# Altium PCB spin5v1_simple.PcbDoc (part 14 of 25) (continued)
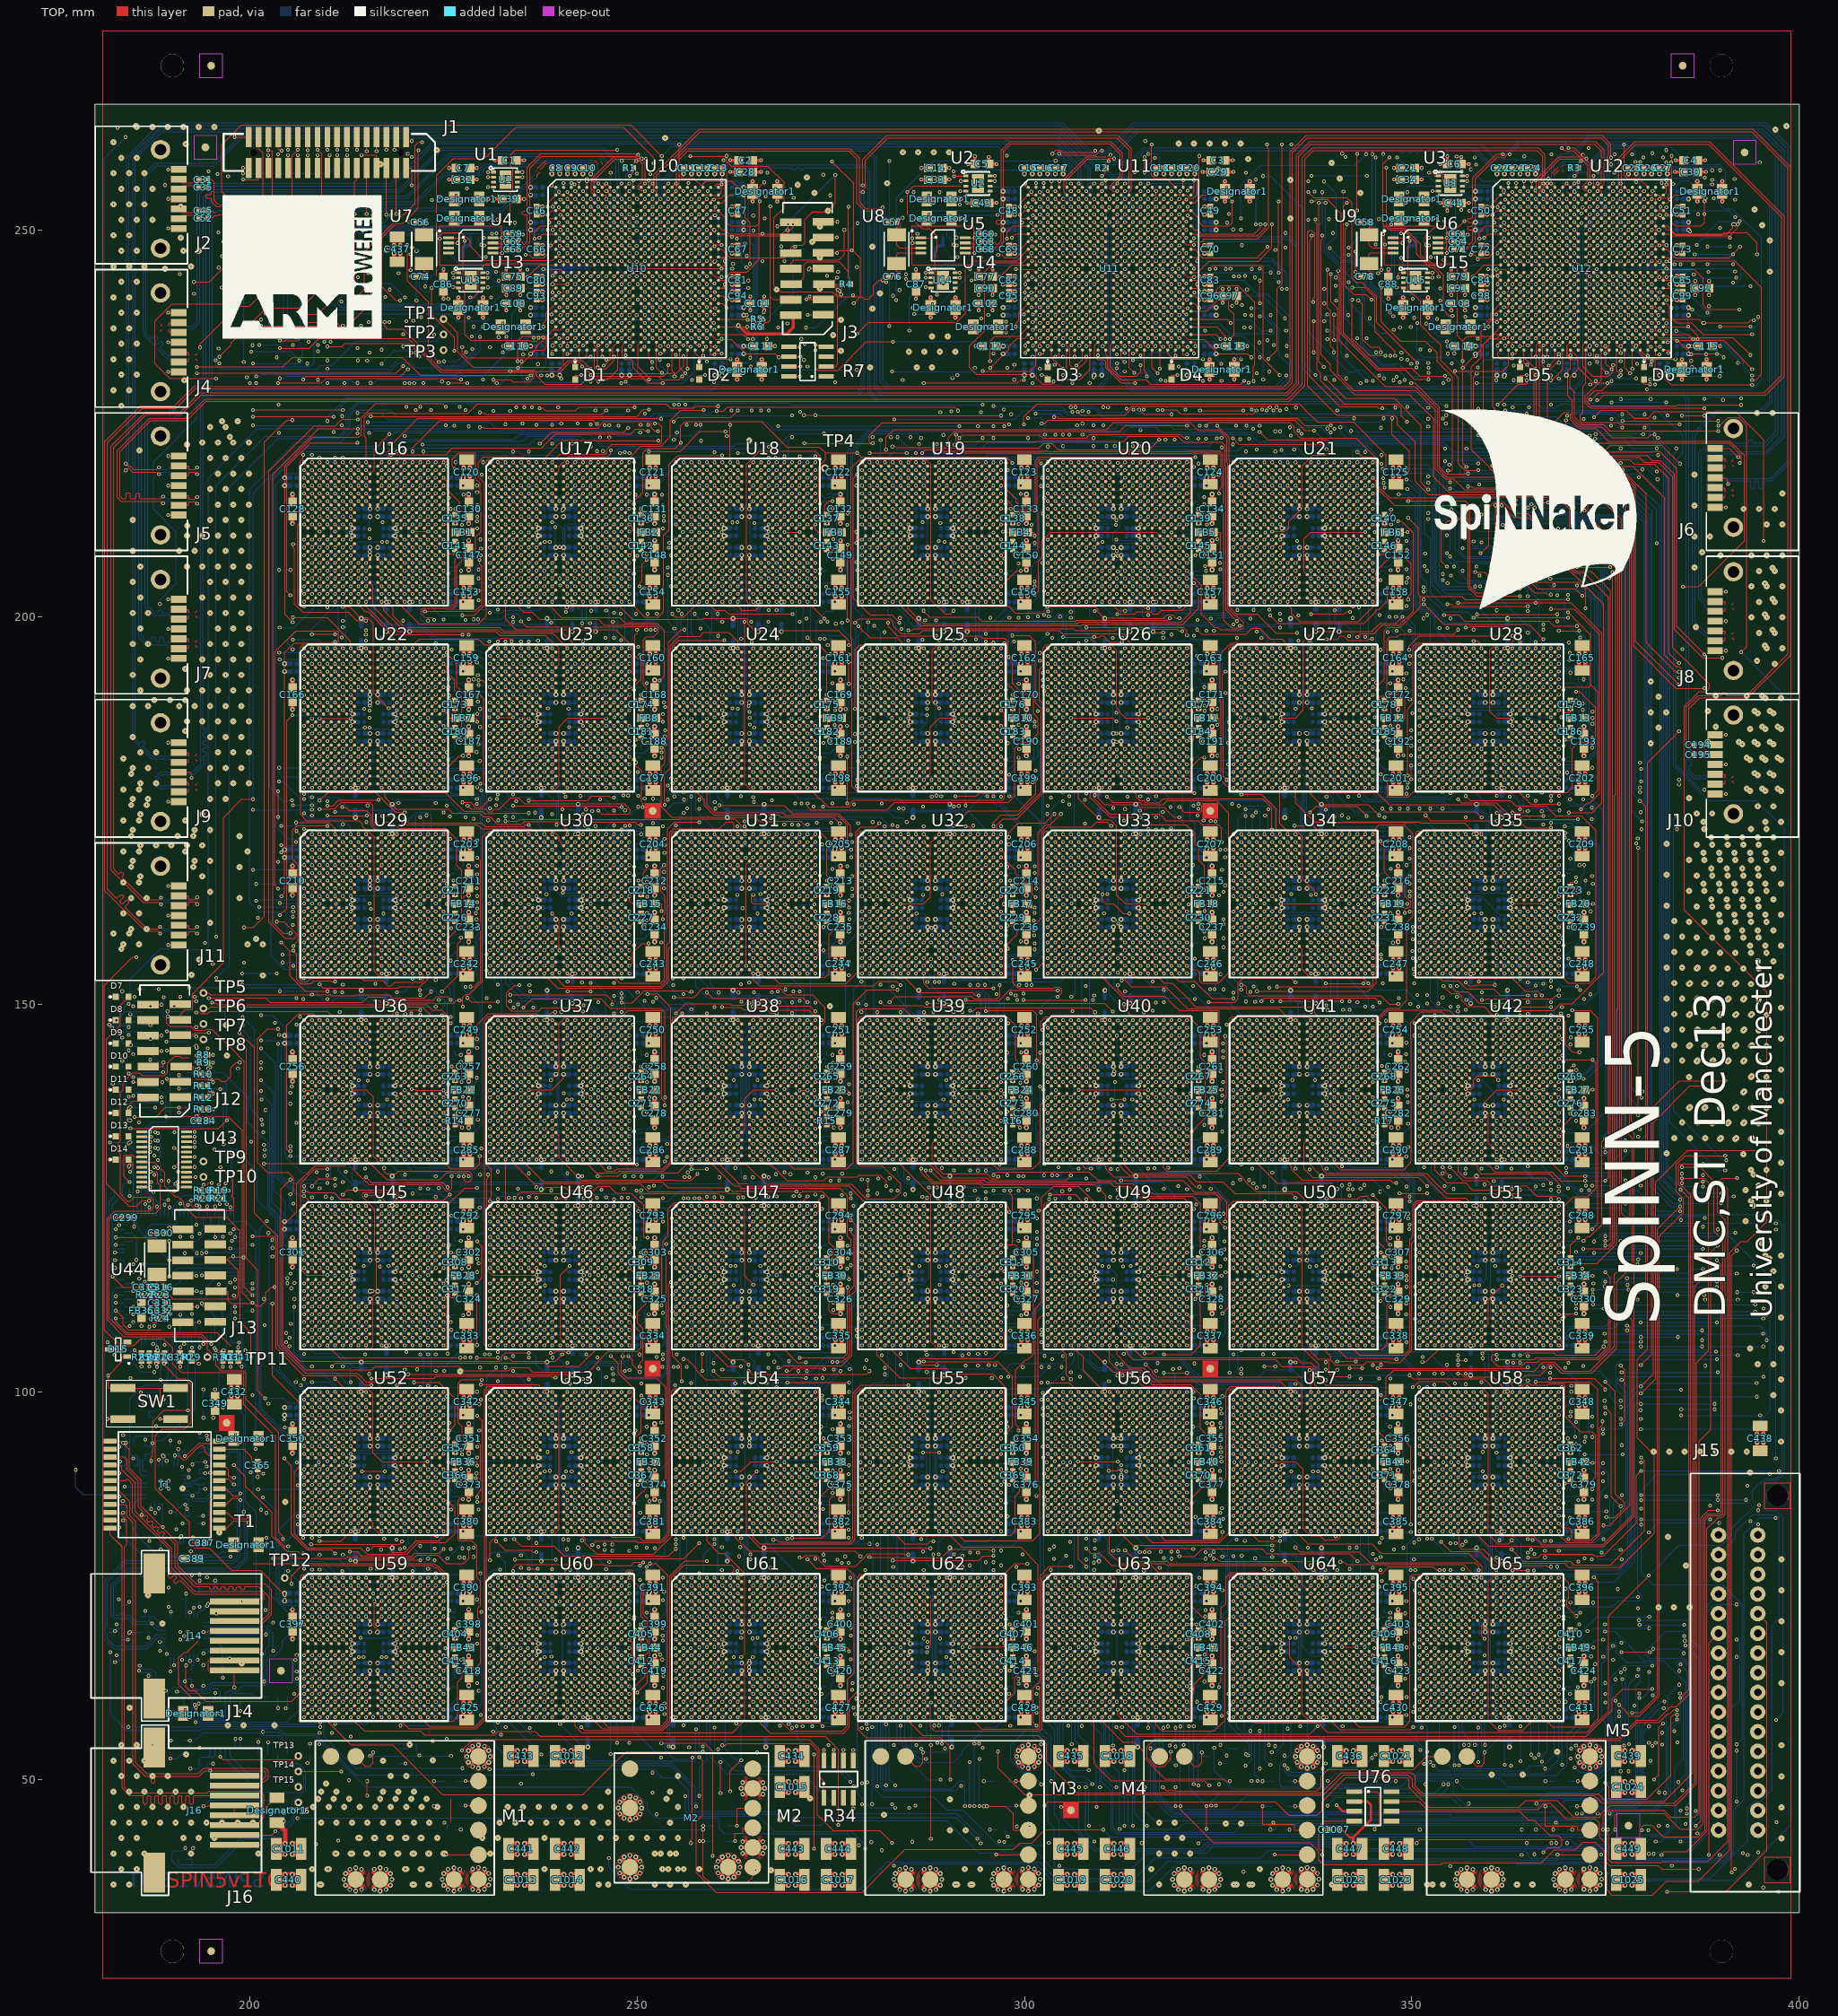
[diagram p0: TOP view]
## Nets (pads, with @x,y where several pads share a name; then routed paths per layer and width w, separated by ;. In a path a pad name is that pad's centre, name@x,y a point inside that pad or via, vN(x,y) a via of type N, cw(c..) or ccw(c..) an arc to the next point about the centre after c; other vN are vias at no path point) (continued)
  other v1: 283,60 376,238
S35_L5<8>: U12.W14 U62.R7
  other v1: 325.133,49.35 345.358,49.761 345.358,53.196 380.642,54.717 285,61 377.007,63.8 373.685,64.865 374.78,81.003 375,237
S35_L5<9>: U12.W15 U62.V6
  other v1: 382.364,54.487 294.143,54.589 284,58 379.78,138.788 376,237
S35_L5<10>: U12.Y14 U62.U6
  other v1: 299.015,43.9 284,59 393.76,83.297 375,236 387.001,252.026
S35_L5<11>: U12.Y15 U62.T6
  other v1: 380.842,52.365 294.6,54.061 376.777,58.724 284,60 376,236
S35_L5<12>: U12.AA14 U62.R6 | length 37.6
  TOP w0.127: v1(373.549,225.809) 374.473,226.733 377.709,226.733 378.734,225.708 380.502,225.708 381.326,226.532 391.817,226.532 395.437,222.912 v1(395.437,209.85)
  other v1: 395.41,36.03 328.283,38.044 397.118,44.446 271.371,56.842 284,61 375,235
S35_L5<13>: U12.AB14 U62.V7 | length 212.4
  TOP w0.127: v1(285,58) 285,57.551 286.905,55.646 301.714,55.646 302.857,54.503 302.857,52.189 306.801,48.245 338.324,48.245 340.954,50.875 349.963,50.875 350.474,50.364 350.474,49.132 351.481,48.125 374.078,48.125 375.048,47.155 382.604,47.155 386.287,50.838 386.287,126.302 387.113,127.128 v1(387.601,127.128) ; U12.AB14@374.5,234.5 374.5,230.587 373.42,229.507 373.368,229.507 372.415,228.554 372.415,227.622 373.05,226.987 v1(387.804,226.987)
S35_L5<14>: U12.AB15 U62.U7 | length 209
  TOP w0.127: v1(287.93,42.29) 287.93,53.979 287.931,53.98 v1(287.931,54.411) ; v1(374.724,43.498) 374.724,45.366 375.359,46.001 382.575,46.001 383.437,45.139 386.546,45.139 387.118,45.711 387.118,93.663 388.616,95.161 388.616,118.019 v1(389.493,118.896) ; v1(375,118.896) 375.431,118.896 375.939,119.404 v1(375.939,205.82)
  BOTTOM w0.127: v1(287.931,54.411) v1(287.931,59.931) ; v1(375,118.896) v1(389.493,118.896)
  other v1: 285,59
S35_L5<15>: U12.AB16 U62.T7
  other v1: 285,60
S36_L0<0>: U61.R11 U62.D11
  other v1: 266,61 290,73
S36_L0<1>: U61.V10 U62.A10
  other v1: 265,58 264.432,64.465 273.862,74.865 289,76
S36_L0<2>: U61.U10 U62.B10 | length 23.6
  BOTTOM w0.127: v1(265,59) 265.569,58.431 268.232,58.431 268.431,58.232 v1(268.431,56.907) ; v1(288.969,56.924) 288.969,57.364 288.77,57.563 288.753,57.563 288.435,57.881 288.435,74.435 289,75
S36_L0<3>: U61.T10 U62.C10 | length 6.9
  TOP w0.127: v1(287.46,67.035) 287.918,67.493 287.918,72.918 U62.C10@288.5,73.5
  other v1: 269.993,56.642 265,60 289,74
S36_L0<4>: U61.R10 U62.D10
  other v1: 265,61 277.265,64.465 287.587,64.465 289,73
S36_L0<5>: U61.V11 U62.A11 | length 44.7
  TOP w0.127: v1(266,58) 266,57.164 267.207,55.957 276.633,55.957 277.395,56.719 277.395,60.244 278.569,61.418 278.569,76.232 278.768,76.431 289.569,76.431 290,76
S36_L0<6>: U61.U11 U62.B11 | length 24.3
  BOTTOM w0.127: v1(266,59) 266.566,59.566 273.209,59.566 275.051,61.408 275.051,62.239 276.746,63.934 276.746,73.173 277.593,74.02 v1(277.593,74.6)
  other v1: 290,75
S36_L0<7>: U61.T11 U62.C11 | length 30.3
  BOTTOM w0.127: v1(269.563,57.135) 269.994,57.135 270.132,57.273 275.666,57.273 277.254,58.861 277.254,62.954 278.024,63.724 278.024,76.113 277.706,76.431 274.927,76.431 v1(274.168,75.672)
  other v1: 266,60 290,74
S36_L0<8>: U61.R9 U62.D9
  other v1: 263,61 287,73
S36_L0<9>: U61.V8 U62.A8
  other v1: 262,58 287.487,69 277.593,69.558 286,76
S36_L0<10>: U61.U8 U62.B8
  other v1: 279,56.597 262,59 286,75 277.316,75.207
S36_L0<11>: U61.T8 U62.C8
  other v1: 262,60 286,74
S36_L0<12>: U61.R8 U62.D8
  other v1: 262,61 277.593,68.558 286,73
S36_L0<13>: U61.V9 U62.A9
  other v1: 263,58 287.478,67.742 287,76
S36_L0<14>: U61.U9 U62.B9
  other v1: 263,59 277.593,65.465 287,75
S36_L0<15>: U61.T9 U62.C9
  other v1: 288.362,56.924 263,60 273.831,61 287,74
S36_L1<0>: U55.D7 U61.V16
  other v1: 271,58 275.247,63.527 277.303,89.384 285,97
S36_L1<1>: U55.A6 U61.V14
  other v1: 269,58 284,67.001 284,100
S36_L1<2>: U55.B6 U61.U14 | length 50.3
  BOTTOM w0.127: v1(273.632,69.57) 273.431,69.771 273.431,76.232 273.232,76.431 270.805,76.431 266.741,80.495 266.741,80.834 266.569,81.006 266.569,85.232 266.768,85.431 281.05,85.431 281.431,85.812 281.431,98.05 281.812,98.431 283.431,98.431 v1(284,99)
  other v1: 269,59 262.466,65.742
S36_L1<3>: U55.C6 U61.T14
  other v1: 269,60 283.069,77.4 284,98
S36_L1<4>: U55.D6 U61.R14
  other v1: 269,61 265.534,68.242 277.342,95.6 284,97
S36_L1<5>: U55.A7 U61.V15 | length 59.8
  TOP w0.127: v1(270,58) 270.727,57.273 273.494,57.273 v1(273.925,56.842)
  BOTTOM w0.127: v1(273.925,56.842) 275.603,56.842 277.508,58.747 277.508,60.386 278.207,61.085 278.255,61.085 278.601,61.431 280.05,61.431 280.431,61.812 280.431,83.05 280.812,83.431 282.05,83.431 282.431,83.812 282.431,85.05 282.812,85.431 287.05,85.431 287.431,85.812 287.431,97.232 287.232,97.431 286.939,97.431 286.431,97.939 286.431,99.232 286.232,99.431 285.569,99.431 285,100
S36_L1<6>: U55.B7 U61.U15
  other v1: 270,59 277.939,59.222 276.448,77.905 285,99
S36_L1<7>: U55.C7 U61.T15 | length 7.4
  BOTTOM w0.127: v1(285,90.994) 284.568,91.426 284.568,97.568 v1(285,98)
  other v1: 270,60 278.268,60.4 278.871,90.931
S36_L1<8>: U55.D5 U61.R13
  other v1: 268,61 275.841,78.335 277.437,96.6 283,97
S36_L1<9>: U55.A3 U61.V12
  other v1: 267,58 277.743,61.516 281,100
S36_L1<10>: U55.A4 U61.U12
  other v1: 267,59 277.295,77.905 282,100
S36_L1<11>: U55.B4 U61.T12
  other v1: 267,60 267.2,77.305 277.303,92.117 282,99
S36_L1<12>: U55.C4 U61.R12
  other v1: 267,61 270,67.067 279.43,77 282,98
S36_L1<13>: U55.A5 U61.V13 | length 36.8
  TOP w0.127: v1(268,58) 269.789,56.211 276.506,56.211 277.141,56.846 277.141,62.898 278.024,63.781 278.024,76.263 277.071,77.216 273.184,77.216 v1(272,78.4)
  other v1: 283,100
S36_L1<14>: U55.B5 U61.U13
  other v1: 268,59 276.865,78.762 283,99
S36_L1<15>: U55.C5 U61.T13
  other v1: 268,60 283,98
S36_L2<0>: U54.R5 U61.R16 | length 32.8
  BOTTOM w0.127: v1(260,80.347) 258.569,78.916 258.569,60.822 258.823,60.568 270.568,60.568 v1(271,61)
  other v1: 259,85
S36_L2<1>: U54.V3 U61.N15
  other v1: 270,63 257,82
S36_L2<2>: U54.V4 U61.N16
  other v1: 271,63 258,82
S36_L2<3>: U54.U4 U61.N17
  other v1: 272,63 267,67.067 258,83
S36_L2<4>: U54.T4 U61.N18
  other v1: 273,63 258,84
S36_L2<5>: U54.V5 U61.P16 | length 29.1
  TOP w0.127: v1(259,82) 259,80.709 260.524,79.185 261.287,79.185 263.891,76.581 263.891,66.201 v1(263.432,65.742)
  BOTTOM w0.127: v1(263.432,65.742) 263.432,63.955 264.956,62.431 270.569,62.431 271,62
S36_L2<6>: U54.U5 U61.P17
  other v1: 272,62 259,83
S36_L2<7>: U54.T5 U61.P18
  other v1: 273,62 259,84
S36_L2<8>: U54.R7 U61.V18 | length 23.2
  BOTTOM w0.127: v1(256,66.931) 255.569,67.362 255.569,84.232 255.768,84.431 260.431,84.431 v1(261,85)
  other v1: 273,58
S36_L2<9>: U54.V6 U61.R17 | length 32.2
  BOTTOM w0.127: v1(260,82) 260.431,81.569 260.431,61.939 260.939,61.431 271.569,61.431 v1(272,61)
S36_L2<10>: U54.U6 U61.R18 | length 16
  BOTTOM w0.127: v1(260.931,67.069) 261.431,67.569 261.431,70.169 261.828,70.566 270.05,70.566 270.431,70.185 270.431,67.638 v1(271,67.069)
  other v1: 273,61 260,83
S36_L2<11>: U54.T6 U61.T16
  other v1: 253.526,58.4 271,60 260,84
S36_L2<12>: U54.R6 U61.T17
  other v1: 272,60 260,85
S36_L2<13>: U54.V7 U61.T18 | length 32.5
  BOTTOM w0.127: 261,82 261.454,81.546 263.662,81.546 263.861,81.347 263.861,76.511 264.941,75.431 272.232,75.431 272.431,75.232 272.431,60.569 v1(273,60)
S36_L2<14>: U54.U7 U61.U17
  other v1: 272,59 261,83
S36_L2<15>: U54.T7 U61.U18
  other v1: 272.6,56.841 273,59 256.901,66.931 261,84
S36_L4<0>: U12.M17 U61.D7 | length 35.1
  BOTTOM w0.127: v1(253.265,69.524) 253.746,69.043 253.746,64.396 v1(253.315,63.965) ; v1(370.6,53.958) 370.6,55.392 371.426,56.218 371.449,56.218 373.608,58.377 v1(373.608,62.988) ; v1(375,106.472) v1(379.594,106.472) ; 378,244 377.569,244.431 376.768,244.431 376.569,244.232 376.569,235.271 378.347,233.493 378.359,233.493 v1(379.116,232.736)
  other v1: 261,73
S36_L4<1>: U12.M18 U61.A6
  other v1: 260,76 365,79.242 350.324,80.557 350.324,88.534 379,244
S36_L4<2>: U12.M19 U61.B6 | length 35.6
  BOTTOM w0.127: v1(253.098,52.774) 249.492,56.38 249.492,59.413 250.318,60.239 250.329,60.239 251.599,61.509 251.599,69.389 253.748,71.538 253.748,73.477 253.464,73.761 v1(253.464,74.192) ; v1(312.921,44) v1(312.921,51.15) ; v1(389.532,86.06) v1(393.18,86.06)
  other v1: 260,75 380,244
S36_L4<3>: U12.N19 U61.C6 | length 37.9
  BOTTOM w0.127: v1(259,67.066) 259.431,67.497 259.431,73.431 v1(260,74) ; v1(333.999,51.363) 334.43,50.932 338.923,50.932 339.539,51.548 343.679,51.548 v1(344.896,52.765) ; v1(371.207,54.358) 372.305,55.456 372.338,55.456 374.116,57.234 374.116,65.204 v1(374.742,65.83) ; v1(379.431,69.93) v1(385.188,69.93)
  other v1: 380,243
S36_L4<4>: U12.N20 U61.D6 | length 26.7
  BOTTOM w0.127: v1(307.903,48.95) 307.903,43.104 v1(309.042,41.965) ; v1(326.393,57.772) 326.393,57.091 328.679,54.805 328.738,54.805 329.056,54.487 329.056,53.464 328.816,53.224 v1(328.627,53.224) ; v1(381,243) 381.496,243.496 385.125,243.496 385.871,242.75 v1(393.76,242.75)
  other v1: 260,73
S36_L4<5>: U12.N22 U61.A7 | length 27.7
  TOP w0.127: v1(278.569,59.43) 278.569,56.408 279.585,55.392 289.168,55.392 290.438,54.122 v1(290.438,49.95) ; v1(381.297,49.963) 381.933,50.599 381.933,56.675 v1(382.468,57.21)
  other v1: 261,76 383.566,243.998
S36_L4<6>: U12.P20 U61.B7
  other v1: 261,75 277.517,76 263.43,76.431 275.2,175.965 267.4,176.365 267,186.965 264.724,199.413 266.917,199.413 381,242 264.135,246.642 328.596,257.394 352.267,257.394
S36_L4<7>: U12.P21 U61.C7
  other v1: 386.687,45.893 258.462,54.231 253.526,59.808 261,74 382.034,242
S36_L4<8>: U12.P22 U61.D5
  other v1: 259,73 365.8,76.95 350.472,77 383.312,243
S36_L4<9>: U12.R20 U61.A3 | length 188.7
  TOP w0.127: v1(258.031,52.845) 258.464,52.412 258.464,45.36 257.638,44.534 257.638,37.949 260.178,35.409 279.048,35.409 282.477,38.838 282.477,38.848 284.573,40.944 298.594,40.944 299.435,41.785 300.93,41.785 302.642,43.497 v1(310.182,43.497)
  BOTTOM w0.127: v1(257,76) 257.431,75.569 257.431,57.438 258.031,56.838 v1(258.031,52.845) ; v1(310.182,43.497) 311.11,42.569 373.164,42.569 373.404,42.329 379.487,42.329 380.043,42.885 382.591,42.885 383.988,44.282 383.988,51.535 385.115,52.662 385.115,60.845 384.875,61.085 v1(384.632,61.085)
  other v1: 381,241
  other v3: 258.019,38.401 318.4,42.401 320.4,42.401
S36_L4<10>: U12.R22 U61.A4 | length 148.9
  TOP w0.127: v1(258.4,102.697) v1(258.4,104.896) ; v1(302.233,225.026) 302.664,225.026 303.062,225.424 334.912,225.424 335.801,224.535 335.801,224.495 336.198,224.098 v1(337.4,224.098) ; v1(372.126,222.017) 372.595,222.486 391.01,222.486 392.598,220.898 392.598,220.173 v1(392.364,219.939)
  BOTTOM w0.127: v1(250.933,150.465) 252.105,149.293 255.369,149.293 v1(255.8,148.862) ; v1(256.4,224.847) 256.831,225.278 266.584,225.278 267.609,224.253 301.46,224.253 v1(302.233,225.026) ; v1(337.4,224.098) 338.864,222.634 354.13,222.634 355.403,221.361 371.47,221.361 v1(372.126,222.017)
  other v1: 258,76 383.566,240.968
S36_L4<11>: U12.T20 U61.B4 | length 56.6
  BOTTOM w0.127: v1(254.083,54.231) 254.083,54.662 254.211,54.79 254.211,66.207 v1(254.935,66.931) ; v1(256.221,47.789) 256.221,45.924 256.891,45.254 265.628,45.254 267.633,43.249 277.671,43.249 279.449,41.471 v1(279.449,41.023) ; v1(381,240) 381.569,239.431 383.133,239.431 383.705,238.859 383.705,238.771 384.213,238.263 384.283,238.263 385.437,237.109 393.966,237.109 394.76,237.903 v1(394.76,238.77)
  other v1: 258,75
S36_L4<12>: U12.T21 U61.C4 | length 104.7
  TOP w0.127: v1(260.767,48.209) v1(260.767,52.191) ; v1(379.74,43.42) 379.74,43.851 379.978,44.089 381.015,44.089 382.515,42.589 387.086,42.589 387.88,43.383 387.88,83.521 388.388,84.029 389.899,84.029 390.217,84.347 390.217,119.611 389.063,120.765 389.063,127.186 387.221,129.028 v1(384.89,129.028)
  other v1: 258.033,67 258,74 382.068,239.907
S36_L4<13>: U12.T22 U61.A5 | length 49.5
  TOP w0.127: v1(272.842,41.023) v1(272.842,53.175) ; U12.T22@382.5,240.5 382.935,240.5 383.332,240.103 383.332,238.835 384.158,238.009 386.15,238.009 387.619,236.54 v1(393.96,236.54)
  BOTTOM w0.127: v1(262.927,76.861) 262.927,76.43 262.767,76.43 262.568,76.231 262.568,71.812 262.949,71.431 271.232,71.431 271.431,71.232 271.431,67.45 v1(271.95,66.931) ; v1(270.6,56.841) 270.6,55.403 271.807,54.196 271.821,54.196 v1(272.842,53.175)
  other v1: 259,76
S36_L4<14>: U12.U20 U61.B5 | length 105.4
  BOTTOM w0.127: v1(274.168,78.2) 275.429,76.939 277.579,76.939 278.278,76.24 278.278,62.852 v1(277.826,62.4) ; v1(279.6,57.117) 280.031,57.117 280.052,57.138 280.568,57.138 280.767,56.939 280.767,52.816 280.59,52.639 280.59,48.882 281.733,47.739 288.296,47.739 289.973,46.062 292.05,46.062 295.035,43.077 295.035,43.039 296.623,41.451 302.378,41.451 302.727,41.8 v1(303.158,41.8) ; v1(384.175,236.971) 384.606,236.971 384.96,236.617 385.439,236.617 385.982,236.074 389.729,236.074 392.841,232.962 392.841,232.349 v1(393.961,231.229) ; v1(384.704,41.946) 386.8,41.946 388.134,43.28 388.134,71.608 389.087,72.561 v1(391.98,72.561) ; v1(392.03,112.865) v1(394.16,112.865)
  other v1: 259,75 381,239
S36_L4<15>: U12.U22 U61.C5 | length 112.4
  TOP w0.127: v1(253.126,54.662) 258.672,54.662 259.752,53.582 v1(259.752,40.104) ; v1(384.263,235.678) 384.694,235.678 384.757,235.741 390.301,235.741 392.841,233.201 392.841,233.155 v1(393.96,232.036) ; v1(391.319,37.972) 391.319,117.585 v1(391.984,118.25)
  other v1: 259,74
S36_L5<0>: U12.P18 U61.R5 | length 31.1
  BOTTOM w0.127: v1(260,56.653) 260,53.64 262.477,51.163 276.018,51.163 v1(277.539,49.642) ; v1(379.631,83.521) v1(388.532,83.521)
  other v1: 259,61 379,242
S36_L5<1>: U12.P19 U61.V3
  other v1: 257,58 379.404,61.085 380,242
S36_L5<2>: U12.R19 U61.V4
  other v1: 258,58 380,241
S36_L5<3>: U12.T18 U61.U4 | length 226
  BOTTOM w0.127: v1(258,59) 258.431,59.431 259.232,59.431 259.431,59.232 259.431,52.878 261.654,50.655 271.444,50.655 276.545,45.554 291.302,45.554 294.35,42.506 v1(294.35,41.747) ; v1(384.175,221.801) 384.175,221.37 383.834,221.029 383.834,180.834 388.343,176.325 394.502,176.325 398.122,172.705 398.122,89.487 397.233,88.598 395.75,88.598 395.496,88.344 395.496,84.921 395.75,84.667 397.11,84.667 397.936,83.841 397.936,58.531 v1(397.058,57.653)
  other v1: 379,240
S36_L5<4>: U12.T19 U61.T4
  other v1: 274.7,54.402 258,60 380,240
S36_L5<5>: U12.U19 U61.V5 | length 49.9
  BOTTOM w0.127: v1(258.033,47.842) 258.033,51.566 259,52.533 v1(259,58) ; v1(379.631,82.866) 379.631,76.625 381.155,75.101 390.125,75.101 392.665,72.561 392.665,55.182 v1(391.98,54.497)
  other v1: 380,239
S36_L5<6>: U12.V19 U61.U5
  other v1: 259,59 380,238
S36_L5<7>: U12.V21 U61.T5
  other v1: 259,60 381.901,238
S36_L5<8>: U12.V22 U61.R7 | length 73
  TOP w0.127: v1(311.873,56.715) 313.031,55.557 372.549,55.557 375.915,58.923 375.915,60.305 377.249,61.639 v1(381.092,61.639)
  other v1: 261,61 387.619,238 383.555,239.931
S36_L5<9>: U12.W18 U61.V6 | length 128.9
  BOTTOM w0.127: v1(260,58) 260.431,58.431 261.232,58.431 261.431,58.232 261.431,53.83 263.59,51.671 276.128,51.671 277.97,49.829 v1(277.97,49.089) ; 379,237 379.569,236.431 380.232,236.431 380.431,236.232 380.431,233.629 v1(381,233.06) ; v1(381.807,223.171) 383.342,221.636 383.342,134.757 389.502,128.597 v1(390.493,128.597)
S36_L5<10>: U12.W20 U61.U6
  other v1: 371.343,45.57 279.032,46.777 279.032,49.472 260.431,53.858 383.919,56.21 260,59 384.519,179.025 381,237
S36_L5<11>: U12.W22 U61.T6
  other v1: 384.95,48.565 265.486,53.458 260,60
S36_L5<12>: U12.Y18 U61.R6
  other v1: 260,61 379,236
S36_L5<13>: U12.Y21 U61.V7 | length 45.5
  TOP w0.127: v1(261,54.387) 261.431,54.387 261.635,54.591 272.384,54.591 273.273,53.702 273.273,45.429 275.305,43.397 281.303,43.397 v1(282.907,41.793) ; U12.Y21@381.5,236.5 381.891,236.109 391.494,236.109 v1(393.76,233.843)
  other v1: 392.78,40.435 261,58
S36_L5<14>: U12.Y22 U61.U7
  other v1: 261,59
S36_L5<15>: U12.AB19 U61.T7 | length 31.2
  TOP w0.127: v1(262.005,48.425) 262.005,51.019 v1(263.431,52.445) ; U12.AB19@379.5,234.5 380.509,233.491 381.232,233.491 381.431,233.292 381.431,232.016 382.701,230.746 382.743,230.746 383.474,230.015 v1(393.96,230.015)
  BOTTOM w0.127: v1(261,60) 261.569,59.431 263.232,59.431 263.431,59.232 v1(263.431,52.445)
S37_L0<0>: U60.R11 U61.D11
  other v1: 242,61 243.901,66.931 266,73
S37_L0<1>: U60.V10 U61.A10 | length 39.4
  BOTTOM w0.127: v1(256,56.972) 256.431,57.403 256.431,82.05 256.812,82.431 263.226,82.431 264.115,81.542 264.115,76.885 v1(265,76)
  other v1: 241,58
S37_L0<2>: U60.U10 U61.B10
  other v1: 241,59 253.526,59.201 250.675,59.742 265,75
S37_L0<3>: U60.T10 U61.C10
  other v1: 241,60 265,74
S37_L0<4>: U60.R10 U61.D10
  other v1: 241,61 253.241,65.442 260,67.068 264.913,68.172 265,73
S37_L0<5>: U60.V11 U61.A11 | length 32
  TOP w0.127: v1(242,58) 242,56.848 242.826,56.022 262.303,56.022 263.891,57.61 263.891,64.689 v1(264.513,65.311)
  other v1: 266,76
S37_L0<6>: U60.U11 U61.B11
  other v1: 262.8,57.172 242,59 264.943,65.742 266,75
S37_L0<7>: U60.T11 U61.C11
  other v1: 242,60 253.317,73.135 266,74
S37_L0<8>: U60.R9 U61.D9 | length 9.5
  BOTTOM w0.127: v1(239,61) 240.4,62.4 v1(240.4,69.899)
  other v1: 241,63 241,71 263,73
S37_L0<9>: U60.V8 U61.A8 | length 41.3
  TOP w0.127: v1(242.8,56.707) 243.231,56.276 253.322,56.276 254.465,57.419 254.465,76.079 256.053,77.667 262.127,77.667 262.496,77.298 262.496,76.888 262,76.392 v1(262,76)
  other v1: 238,58 255,58
S37_L0<10>: U60.U8 U61.B8 | length 30.6
  BOTTOM w0.127: v1(238,59) 237.569,59.431 236.95,59.431 236.569,59.812 236.569,72.187 236.887,72.505 249.114,72.505 249.432,72.823 249.432,74.169 249.829,74.566 249.857,74.566 250.365,75.074 v1(250.365,75.708)
  other v1: 262,75
S37_L0<11>: U60.T8 U61.C8
  other v1: 238,60 262,74
S37_L0<12>: U60.R8 U61.D8 | length 4.4
  BOTTOM w0.127: v1(260.931,77.007) 261.431,76.507 261.431,73.569 v1(262,73)
  other v1: 238,61
S37_L0<13>: U60.V9 U61.A9 | length 15
  TOP w0.127: v1(250.007,61.2) 250.777,61.97 250.807,61.97 251.315,62.478 251.315,65.615 251.62,65.92 251.62,68.249 251.315,68.554 251.315,70.724 251.215,70.824 251.193,70.824 250.796,71.221 v1(250.796,75.122)
  other v1: 239,58 263,76
S37_L0<14>: U60.U9 U61.B9
  other v1: 239,59 238.93,65.828 263,75 243.571,77.158
S37_L0<15>: U60.T9 U61.C9
  other v1: 239,60 263,74
S37_L1<0>: U54.D7 U60.V16
  other v1: 247,58 261,97
S37_L1<1>: U54.A6 U60.V14 | length 31.4
  TOP w0.127: v1(245,58) 246.216,56.784 253.068,56.784 253.957,57.673 253.957,76.314 252.433,77.838 v1(251.655,77.838)
  other v1: 260,100
S37_L1<2>: U54.B6 U60.U14
  other v1: 245,59 256,81.154 260,99
S37_L1<3>: U54.C6 U60.T14
  other v1: 245,60 253.317,61.8 259,90.931 260,98
S37_L1<4>: U54.D6 U60.R14
  other v1: 245,61 260,97
S37_L1<5>: U54.A7 U60.V15 | length 9.5
  BOTTOM w0.127: v1(259.965,90.931) 260.431,91.397 260.431,99.431 v1(261,100)
  other v1: 246,58
S37_L1<6>: U54.B7 U60.U15
  other v1: 246,59 261,99
S37_L1<7>: U54.C7 U60.T15
  other v1: 246,60 261,98 253.243,98.4
S37_L1<8>: U54.D5 U60.R13
  other v1: 244,61 253.29,68.524 259,97
S37_L1<9>: U54.A3 U60.V12
  other v1: 243,58 257,100
S37_L1<10>: U54.A4 U60.U12 | length 18.1
  BOTTOM w0.127: v1(242.901,66.965) 243.332,66.965 243.332,66.981 243.713,67.362 249.575,67.362 249.703,67.234 251.027,67.234 251.345,67.552 251.345,70.815 251.658,71.128 251.658,72.328 252.896,73.566 252.896,75.148 253.317,75.569 v1(253.317,76)
  other v1: 243,59 258,100
S37_L1<11>: U54.B4 U60.T12 | length 16.7
  BOTTOM w0.127: v1(251.333,88.431) 257.05,88.431 257.431,88.812 257.431,98.431 v1(258,99)
  other v1: 243,60 249.607,62.958
S37_L1<12>: U54.C4 U60.R12
  other v1: 243,61 249.67,68.4 258,98
S37_L1<13>: U54.A5 U60.V13 | length 35.5
  TOP w0.127: v1(244,58) 244.497,57.503 244.497,57.483 245.45,56.53 253.195,56.53 254.211,57.546 254.211,76.189 256.18,78.158 v1(259,78.158)
  other v1: 259,100
S37_L1<14>: U54.B5 U60.U13
  other v1: 244,59 259,99
S37_L1<15>: U54.C5 U60.T13
  other v1: 244,60 259,98
S37_L2<0>: U53.R5 U60.R16
  other v1: 247,61 235,85
S37_L2<1>: U53.V3 U60.N15
  other v1: 246,63 233,82
S37_L2<2>: U53.V4 U60.N16
  other v1: 247,63 233.033,67.069 234,82
S37_L2<3>: U53.U4 U60.N17
  other v1: 248,63 234,83
S37_L2<4>: U53.T4 U60.N18 | length 5.3
  TOP w0.127: v1(234.2,78.358) v1(239.47,78.358)
  other v1: 249,63 244.901,66.931 234,84
S37_L2<5>: U53.V5 U60.P16
  other v1: 247,62 235,78.892 246.8,79.492 235,82
S37_L2<6>: U53.U5 U60.P17 | length 17
  BOTTOM w0.127: v1(235,83) 235.431,83 235.431,82.96 235.822,82.569 236.04,82.569 236.431,82.178 236.431,77.268 237.13,76.569 239.465,76.569 v1(240.034,76) ; v1(246,66.931) 246.5,66.431 247.188,66.431 247.569,66.05 247.569,62.822 247.822,62.569 247.873,62.569 248,62.442 v1(248,62)
S37_L2<7>: U53.T5 U60.P18 | length 17.6
  TOP w0.127: v1(234,76.869) 234,77.303 234.397,77.7 245.786,77.7 245.862,77.624 249.248,77.624 249.614,77.99 v1(250.795,77.99)
  other v1: 249,62 235,84
S37_L2<8>: U53.R7 U60.V18
  other v1: 249,54.707 249,58 233,80.939 237,85
S37_L2<9>: U53.V6 U60.R17
  other v1: 248,61 236,82
S37_L2<10>: U53.U6 U60.R18 | length 15.3
  BOTTOM w0.127: v1(236,83) 236.391,83 236.822,82.569 238.051,82.569 238.496,82.124 238.496,81.445 239.039,80.902 v1(239.039,77.093) ; v1(247.049,66.931) 247.732,66.931 248.431,66.232 248.431,61.569 v1(249,61)
S37_L2<11>: U53.T6 U60.T16 | length 15.2
  BOTTOM w0.127: v1(238.067,65.742) 237.619,65.742 237.492,65.615 237.492,60.876 237.937,60.431 246.569,60.431 v1(247,60)
  other v1: 236,84
S37_L2<12>: U53.R6 U60.T17
  other v1: 240.52,57.569 248,60 234,66.931 236,85
S37_L2<13>: U53.V7 U60.T18 | length 28.1
  TOP w0.127: v1(240.721,77.093) 240.721,76.597 248.348,76.597 248.789,77.038 249.232,77.038 249.431,76.839 249.431,75.625 250.486,74.57 250.486,71.015 250.931,70.57 250.934,70.57 251.061,70.443 251.061,68.148 251.366,67.843 251.366,66.327 251.061,66.022 251.061,63.293 249.431,61.663 249.431,60.431 v1(249,60)
  other v1: 237,82
S37_L2<14>: U53.U7 U60.U17 | length 4.5
  BOTTOM w0.127: v1(247.431,54.707) 247.431,58.431 v1(248,59)
  other v1: 231,66.931 237,83
S37_L2<15>: U53.T7 U60.U18 | length 17.8
  BOTTOM w0.127: v1(237,84) 237.569,83.431 239.202,83.431 239.901,82.732 239.901,79.692 240.727,78.866 244.517,78.866 245.824,77.559 v1(250.365,77.559)
  other v1: 249,59 249.431,63.569
S37_L4<0>: U12.F18 U60.D7
  other v1: 352.389,52.194 326.098,53.05 229.354,62.4 237,73 379,251
S37_L4<1>: U12.F19 U60.A6 | length 19.9
  BOTTOM w0.127: v1(236,76) 235.569,76.431 234.768,76.431 234.569,76.232 234.569,74.812 234.95,74.431 239.206,74.431 240,73.637 v1(240,72.936) ; v1(384.788,96.962) v1(394.995,96.962)
  other v1: 380,251
S37_L4<2>: U12.F20 U60.B6 | length 94.9
  BOTTOM w0.127: v1(231.569,76.431) 231.569,56.951 231.831,56.689 231.831,54.272 234.308,51.795 254.302,51.795 257.08,49.017 257.08,46.377 257.579,45.878 269.586,45.878 270.418,45.046 291.163,45.046 v1(293.919,42.29) ; v1(387.931,115.267) v1(391.996,115.267)
  other v1: 236,75 381,251
S37_L4<3>: U12.G19 U60.C6
  other v1: 236,74 236,104.435 236.43,148.431 254.392,204 380,250 285.698,254.865 289.042,254.865
S37_L4<4>: U12.G20 U60.D6 | length 77.9
  BOTTOM w0.127: v1(236,73) 235.431,72.431 235.431,67.807 234.986,67.362 233.768,67.362 233.569,67.163 233.569,57.266 235.665,55.17 235.677,55.17 v1(237.642,53.205) ; v1(366.106,46.847) 367.593,48.334 372.613,48.334 375.915,51.636 375.915,62.035 376.342,62.462 v1(376.342,62.893) ; v1(379.594,95.189) 393.855,95.189 396.268,97.602 396.268,110.368 395.871,110.765 v1(395.437,110.765)
  other v1: 381,250
S37_L4<5>: U12.G22 U60.A7 | length 130.8
  TOP w0.127: v1(256.938,41.757) 256.938,42.188 257.139,42.389 v1(257.139,52.774) ; v1(382.256,40.235) 382.687,40.666 385.53,40.666 388.134,43.27 388.134,82.34 388.769,82.975 388.817,82.975 389.617,83.775 390.026,83.775 390.471,84.22 390.471,122.188 389.501,123.158 389.501,126.963 390.136,127.598 v1(392.011,127.598)
  BOTTOM w0.127: v1(241.328,77.028) 241.759,76.597 247.226,76.597 247.667,77.038 250.476,77.038 250.794,77.356 250.794,77.407 v1(251.225,77.407) ; v1(253.364,63.358) 253.957,62.765 253.957,55.069 253.652,54.764 253.652,53.74 254.795,52.597 256.531,52.597 256.708,52.774 v1(257.139,52.774)
  other v1: 237,76 391.496,250.729 392.103,250.729
S37_L4<6>: U12.H16 U60.B7 | length 22.5
  BOTTOM w0.127: v1(259.863,103.728) 259.863,104.26 261.006,105.403 261.043,105.403 261.44,105.8 261.44,113.186 262.012,113.758 v1(262.467,113.758) ; v1(376.19,259.76) 376.19,259.329 376.572,258.947 376.572,255.703 376.569,255.7 376.569,249.431 v1(377,249)
  other v1: 237,75
S37_L4<7>: U12.H17 U60.C7 | length 142.1
  BOTTOM w0.127: v1(234.931,66.931) 235.471,66.391 235.471,58.876 235.916,58.431 246.188,58.431 246.569,58.05 v1(246.569,53.269) ; v1(307.064,48.95) 307.064,43.273 309.287,41.05 322.858,41.05 323.71,41.902 340.029,41.902 340.881,41.05 375.896,41.05 377.156,39.79 389.985,39.79 391.065,40.87 391.065,64.873 v1(391.98,65.788)
  other v1: 237,74 378,249
S37_L4<8>: U12.H18 U60.D5
  other v1: 233.031,56.735 235,73 386.2,232.3 379,249 385.945,249.8
S37_L4<9>: U12.H19 U60.A3 | length 28.3
  BOTTOM w0.127: v1(232.086,78.892) 233,77.978 v1(233,76) ; v1(254.569,112.569) 255.232,112.569 255.431,112.768 255.431,114.362 v1(256,114.931) ; v1(314.255,257.43) 314.686,257.43 315.108,257.852 315.411,257.852 v1(316.865,259.306) ; v1(380,249) 379.504,249.496 379.504,257.486 379.949,257.931 388.569,257.931 v1(388.8,257.7)
S37_L4<10>: U12.H20 U60.A4
  other v1: 385.528,45.57 282.906,46.754 234,76 382.901,240.931 381,249
S37_L4<11>: U12.H21 U60.B4 | length 154.4
  TOP w0.127: v1(318.912,53.558) 318.912,52.558 318.023,51.669 316.926,51.669 315.846,52.749 315.846,54.186 316.862,55.202 319.213,55.202 319.258,55.247 376.693,55.247 379.087,57.641 381.71,57.641 382.98,58.911 382.98,58.917 383.425,59.362 384.191,59.362 386.033,61.204 386.033,125.441 384.953,126.521 384.703,126.521 384.449,126.775 384.449,129.205 384.703,129.459 v1(387.601,129.459) ; v1(384.9,226.025) v1(387.8,226.025)
  other v1: 234,75 382.901,248.065
S37_L4<12>: U12.H22 U60.C4 | length 20.2
  TOP w0.127: v1(275.154,258.827) 277.967,256.014 277.967,247.202 278.828,246.341 278.828,241.389 v1(277.967,240.528)
  other v1: 234,74 253.33,104.831 255.1,104.831
S37_L4<13>: U12.J19 U60.A5 | length 310.9
  TOP w0.127: v1(389.6,224.732) 389.791,224.732 390.031,224.972 390.031,224.985 390.857,225.811 392.165,225.811 393.245,224.731 393.245,196.198 v1(392.56,195.513)
  BOTTOM w0.127: v1(283.162,38.835) 283.593,38.835 283.856,39.098 301.394,39.098 304.923,35.569 316.142,35.569 319.77,39.197 363.345,39.197 363.515,39.027 369.14,39.027 369.211,39.098 374.15,39.098 376.298,36.95 391.72,36.95 398.924,44.154 398.924,189.149 v1(392.56,195.513)
  other v1: 235,76 389.8,232.338 380,248
S37_L4<14>: U12.J20 U60.B5 | length 112.8
  BOTTOM w0.127: v1(235,75) 235.431,75.431 249.058,75.431 250.312,76.685 251.13,76.685 253.607,79.162 253.607,85.841 251.638,87.81 251.299,87.81 250.902,88.207 250.902,88.671 251.347,89.116 252.173,89.116 254.269,91.212 254.269,107.923 254.777,108.431 257.05,108.431 257.431,108.812 257.431,114.363 v1(258.067,114.999) ; v1(283.448,240.958) 283.448,254.105 288.274,258.931 v1(304.022,258.931) ; v1(381,248) 381.505,248.505 381.505,255.905 382.331,256.731 387.397,256.731 387.411,256.745 v1(387.842,256.745)
  other v1: 382.891,256.434
S37_L4<15>: U12.J22 U60.C5 | length 5
  BOTTOM w0.127: v1(386.545,246.865) v1(391.5,246.865)
  other v1: 235,74 250.309,104.815 257.4,125.002 392.402,247.815 274.033,257.128
S37_L5<0>: U12.J16 U60.R5 | length 57.8
  BOTTOM w0.127: v1(235,61) 234.568,60.568 234.568,57.52 236.41,55.678 240.231,55.678 242.454,53.455 242.454,53.446 243.851,52.049 254.427,52.049 257.602,48.874 v1(257.602,46.464) ; v1(377,248) 376.568,247.568 376.568,245.765 377.394,244.939 382.21,244.939 382.653,244.496 385.341,244.496 386.006,243.831 v1(391.9,243.831) ; v1(391.98,47.13) v1(391.98,53.69)
S37_L5<1>: U12.J17 U60.V3 | length 42.1
  BOTTOM w0.127: v1(240.041,57.138) 243.231,53.948 243.231,53.137 244.025,52.343 257.346,52.343 257.6,52.597 v1(257.6,56.453) ; v1(382.901,248) 383.586,247.315 383.586,246.911 384.221,246.276 391.442,246.276 392.585,245.133 392.585,243.816 391.95,243.181 v1(391.5,243.181) ; v1(384.804,97.757) v1(389.132,97.757)
  other v1: 233,58 378,248
S37_L5<2>: U12.K16 U60.V4
  other v1: 234,58 377,247
S37_L5<3>: U12.K17 U60.U4
  other v1: 234,59 378,247
S37_L5<4>: U12.K18 U60.T4
  other v1: 234,60 379,247
S37_L5<5>: U12.K19 U60.V5
  other v1: 365.843,40.311 280.216,41.87 235,49.44 235,58 389.513,120.972 380,247
S37_L5<6>: U12.K20 U60.U5
  other v1: 375.576,45.57 285.11,46.307 235,59 381,247
S37_L5<7>: U12.K21 U60.T5 | length 4
  TOP w0.127: v1(389.8,237.54) v1(393.76,237.54)
  other v1: 285.51,41.927 235,60